# Allegro board 1119394-C028P02-36-DE2-C01_pcb.brd (continued)
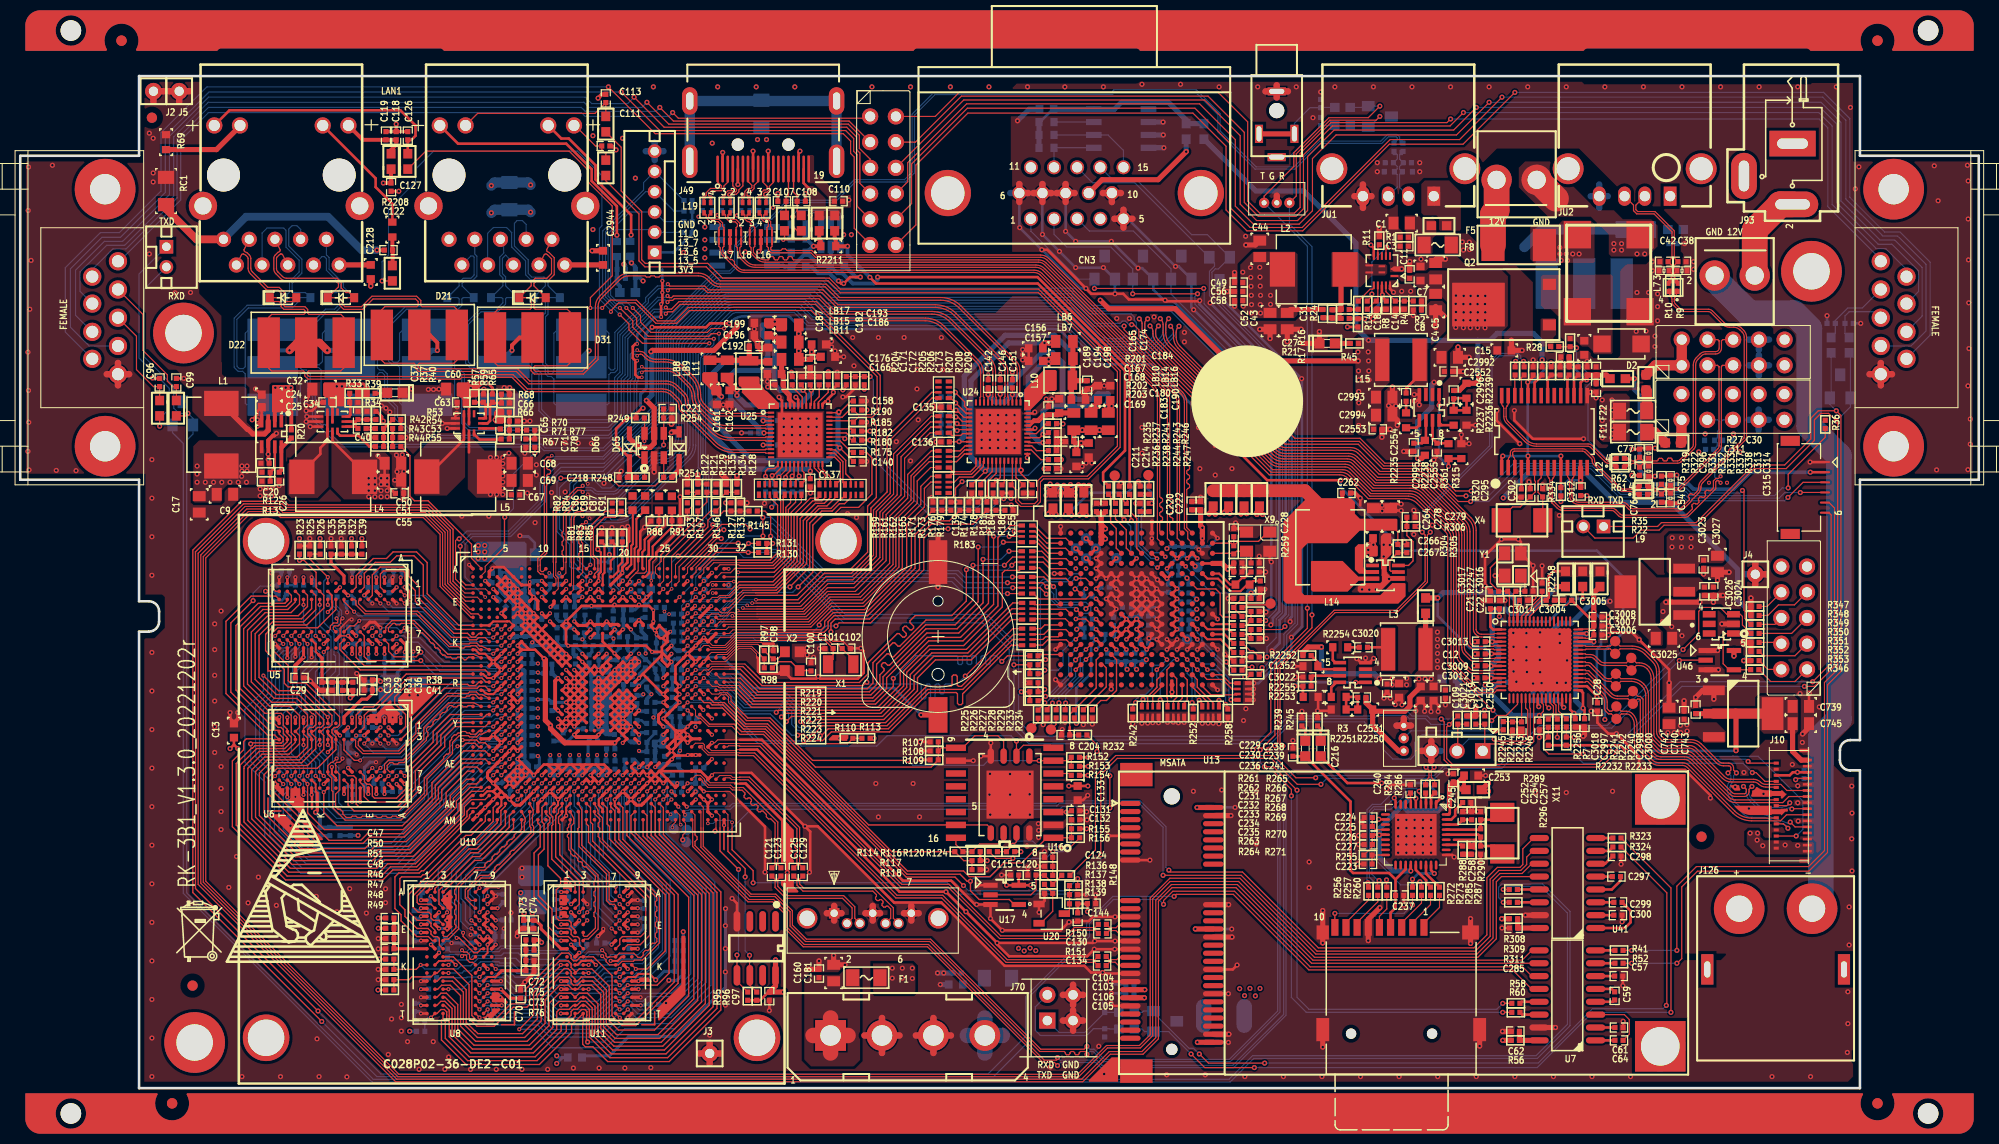
[diagram p0: board, top side]
## Placement (name value [footprint] x y rotation side) (continued)
C425  1UF  [SC0402]  53.44 45.49 180 bottom
C426  1UF  [SC0402]  53.24 31.93 90 bottom
C427  100NF  [SC0402]  52.98 47.14 90 bottom
C428  1UF  [SC0402]  52.82 42.89 180 bottom
C429  100NF  [SC0402]  52.76 19.04 270 bottom
C430  100NF  [SC0402]  52.76 17.26 270 bottom
C431  100NF  [SC0402]  52.76 14.97 270 bottom
C432  1UF  [SC0402]  52.53 37.72 90 bottom
C433  1UF  [SC0402]  52.35 31.93 90 bottom
C434  100NF  [SC0402]  52.12 41 180 bottom
C435  1UF  [SC0402]  51.1 46.33 0 bottom
C436  1UF  [SC0402]  50.77 45.03 270 bottom
C437  10uf  [SC0603]  50.7 19.71 90 bottom
C438  1UF  [SC0402]  50.6 31.75 0 bottom
C439  1UF  [SC0402]  50.52 47.52 0 bottom
C440  100NF  [SC0402]  50.19 16.66 180 bottom
C441  1UF  [SC0402]  50.17 49.12 0 bottom
C442  1UF  [SC0402]  50.16 50.01 0 bottom
C443  100NF  [SC0402]  50.14 43.74 0 bottom
C444  100NF  [SC0402]  50.14 42.85 0 bottom
C445  1UF  [SC0402]  50.14 41.07 0 bottom
C446  1UF  [SC0402]  50.14 40.18 0 bottom
C447  1UF  [SC0402]  50.14 39.29 0 bottom
C448  1UF  [SC0402]  50.14 38.4 0 bottom
C449  1UF  [SC0402]  50.14 37.52 0 bottom
C450  1UF  [SC0402]  50.14 36.63 0 bottom
C451  1UF  [SC0402]  50.14 35.74 0 bottom
C452  1UF  [SC0402]  50.14 34.85 0 bottom
C453  1UF  [SC0402]  50.14 33.96 0 bottom
C454  1UF  [SC0402]  50.14 32.82 0 bottom
C455  22UF  [SC0805]  50.01 52.71 0 bottom
C456  1UF  [SC0402]  49.89 45.03 270 bottom
C457  1UF  [SC0402]  49 45.03 270 bottom
C458  1UF  [SC0402]  48.69 29.69 225 bottom
C459  1UF  [SC0402]  48.23 47.85 225 bottom
C460  1UF  [SC0402]  48.06 16.62 0 bottom
C461  1UF  [SC0402]  47.88 30.48 225 bottom
C462  470NF  [SC0402]  47.71 18.76 90 bottom
C463  1UF  [SC0402]  47.6 48.49 225 bottom
C464  100NF  [SC0402]  47.3 14.97 0 bottom
C465  1UF  [SC0402]  47.04 50.88 180 bottom
C466  1UF  [SC0402]  47.02 49.94 180 bottom
C467  100NF  [SC0402]  44.13 14.34 180 bottom
C468  100NF  [SC0402]  41.59 14.72 0 bottom
C469  1UF  [SC0402]  40.82 16.5 180 bottom
C470  470NF  [SC0402]  40.44 17.89 270 bottom
C471  1UF  [SC0402]  40.34 9.38 270 bottom
C472  100NF  [SC0402]  39.71 19.73 270 bottom
C473  1NF  [SC0402]  39.55 6.65 180 bottom
C474  470NF  [SC0402]  38.94 7.99 270 bottom
C475  100NF  [SC0402]  38.92 17.13 270 bottom
C476  100NF  [SC0402]  38.92 14.97 270 bottom
C477  100NF  [SC0402]  38.35 42.25 0 bottom
C478  10uf  [SC0603]  38 39.9 0 bottom
C479  100NF  [SC0402]  37.3 51.14 180 bottom
C480  100NF  [SC0402]  37.17 37.29 180 bottom
C481  100NF  [SC0402]  37.16 29.31 0 bottom
C482  470NF  [SC0402]  36.41 49.36 90 bottom
C483  470NF  [SC0402]  36.41 42.12 0 bottom
C484  100NF  [SC0402]  35.52 51.14 180 bottom
C485  470NF  [SC0402]  35.39 37.29 180 bottom
C486  470NF  [SC0402]  35.33 30.12 180 bottom
C487  1UF  [SC0402]  34.76 49.48 180 bottom
C488  1UF  [SC0402]  34.38 35.64 180 bottom
C489  100NF  [SC0402]  34 42.12 180 bottom
C490  1UF  [SC0402]  34 30.31 90 bottom
C491  100NF  [SC0402]  33.81 39.78 90 bottom
C492  1UF  [SC0402]  33.49 43.9 0 bottom
C493  100NF  [SC0402]  33.23 51.14 180 bottom
C494  100NF  [SC0402]  33.11 37.29 180 bottom
C495  100NF  [SC0402]  32.85 45.55 180 bottom
C496  100NF  [SC0402]  32.85 29.42 270 bottom
C497  100NF  [SC0402]  32.6 47.96 180 bottom
C498  100NF  [SC0402]  32.6 25.35 90 bottom
C499  100NF  [SC0402]  32.47 32.72 90 bottom
C500  100NF  [SC0402]  32.35 34.5 270 bottom
C501  100NF  [SC0402]  30.57 25.35 270 bottom
C502  1UF  [SC0402]  27.58 49.71 180 bottom
C503  1UF  [SC0402]  26.57 27.2 270 bottom
C504  470NF  [SC0402]  26.19 51.11 180 bottom
C505  1NF  [SC0402]  25.88 49.71 0 bottom
C739  22UF  [SC0805]  175.87 37.72 0 top
C740  100NF  [SC0402]  164.34 36.86 90 top
C742  22UF  [SC0805]  162.86 36.78 90 top
C743  100NF  [SC0402]  165.48 37.41 90 top
C745  22UF  [SC0805]  175.87 36.02 0 top
C1352  27K  [SR0603]  127.43 41.68 180 top
C2128  100NF  [SC0603]  34.62 80.65 90 top
C2318  100NF  [SC0603]  101.37 96.72 0 bottom
C2378  100NF  [SC0603]  76.89 81.15 180 bottom
C2530  100NF  [SC0402]  140.77 38.94 270 top
C2531  15pF  [SC0402]  132.51 38.61 0 top
C2552  100NF  [SC0402]  141.07 70.82 0 top
C2553  100NF  [SC0402]  134.09 65.1 0 top
C2554  100NF  [SC0402]  136.88 68.28 90 top
C2555  100NF  [SC0402]  139.93 63.32 270 top
C2944  100NF  [SC0603]  57.56 82.04 270 top
C2986  100NF  [SC0402]  109.6 10.26 180 bottom
C2987  100NF  [SC0402]  109.6 9.37 180 bottom
C2988  100NF  [SC0402]  117.81 4.52 0 bottom
C2989  100NF  [SC0402]  117.86 15.72 0 bottom
C2990  100NF  [SC0402]  117.83 27.74 0 bottom
C2991  100NF  [SC0603]  80.7 81.28 180 bottom
C2992  22UF  [SC0805]  141.2 72.21 0 top
C2993  22UF  [SC0805]  134.72 68.28 0 top
C2994  22UF  [SC0805]  134.72 66.5 0 top
C2995  100NF/NC  [SC0402]  137.64 63.32 270 top
C2996  15pF  [SC0402]  141.58 68.53 270 top
C2997  100NF  [SC0402]  150.04 35.81 90 top
C2998  100NF  [SC0402]  153.59 36.09 90 top
C2999  100NF  [SC0402]  146.51 40.11 0 bottom
C3000  100NF  [SC0402]  154.51 36.09 90 top
C3001  100NF  [SC0402]  153.24 43.99 0 bottom
C3002  100NF  [SC0402]  149.43 38.73 270 bottom
C3004  100NF  [SC0402]  151.13 48.21 180 top
C3005  100NF  [SC0402]  152.83 48.21 0 top
C3006  100NF  [SC0402]  155.83 44.78 180 top
C3007  100NF  [SC0402]  155.83 45.67 180 top
C3008  100NF  [SC0402]  155.83 46.56 180 top
C3009  100NF  [SC0402]  144.3 41.73 0 top
C3012  100NF  [SC0402]  144.27 40.54 0 top
C3013  100NF  [SC0402]  144.3 44.12 0 top
C3014  100NF  [SC0402]  148.49 48.21 180 top
C3016  15pF  [SC0402]  149.02 49.1 0 top
C3017  15pF  [SC0402]  145.62 49.1 180 top
C3018  1UF  [SC0402]  148.29 35.79 270 top
C3019  22UF  [SC0603]  138.33 38.99 270 top
C3020  100NF  [SC0402]  132.66 43.56 0 top
C3021  22UF  [SC0603]  136.19 39.29 270 top
C3022  100NF  [SC0402]  127.1 40.61 180 top
C3023  100NF  [SC0402]  166.27 51.77 270 top
C3024  100NF  [SC0402]  167.23 49.1 270 top
C3025  10uf  [SC0805]  162.36 44.45 0 top
C3026  1UF  [SC0402]  166.34 49.1 270 top
C3027  10uf  [SC0805]  167.64 51.79 270 top
C3029  100NF  [SC0402]  163.25 83.44 0 bottom
CN3  DB15-3M2  [DB15-3RF-A]  99.82 85.9 180 top
CON1  MOLEX-473065001  [CN_SATA_HOST]  80.39 17.29 180 top
D1  SM12T1G  [SOT23]  134.29 96.01 90 bottom
D2  1SMA13CA  [SD1710A]  158.17 73.53 180 top
D3  SM12T1G  [SOT23]  179.76 69.34 180 bottom
D4  SM12T1G  [SOT23]  16.05 66.68 180 bottom
D5  SM12T1G  [SOT23]  113.08 6.6 90 bottom
D6  DZ5_2  [0402]  164.13 80.77 0 top
D7  DZ5_2  [0402]  162.36 80.77 180 top
D8  DZ5_2  [0402]  137.01 90.55 0 bottom
D9  DZ5_2  [0402]  135.23 90.55 180 bottom
D10  DZ5_2  [0402]  168.64 64.01 0 bottom
D11  DZ5_2  [0402]  166.87 64.01 180 bottom
D12  DZ5_2  [0402]  162.99 58.29 270 top
D13  DZ5_2  [0402]  162.99 60.07 90 top
D14  Led-G-0603  [LED0603]  128.45 33.55 270 top
D15  Led-G-0603  [LED0603]  126.92 33.55 270 top
D16  DZ5_2  [0402]  160.83 60.96 270 top
D17  DZ5_2  [0402]  160.83 62.74 90 top
D18  -  [B3D090L]  154.48 79.5 0 bottom
D19  -  [B3D090L]  32.56 71.23 270 bottom
D20  -  [B3D090L]  24.94 71.23 270 bottom
D21  -  [B3D090L]  39.42 74.42 180 top
D22  -  [B3D090L]  28.24 73.66 180 top
D23  SM12T1G  [SOT23]  118.47 80.95 0 bottom
D24  SM12T1G  [SOT23]  114.68 81.08 180 bottom
D25  SM12T1G  [SOT23]  110.9 81.08 180 bottom
D26  SM12T1G  [SOT23]  107.11 81.08 180 bottom
D27  BV03C  [SOD323-12]  31.67 78.11 180 bottom
D28  BV03C  [SOD323-12]  27.36 78.11 180 bottom
D29  BV03C  [SOD323-12]  31.67 78.11 180 top
D30  BV03C  [SOD323-12]  25.96 78.11 180 top
D31  -  [B3D090L]  50.6 74.17 180 top
D32  -  [B3D090L]  55.42 71.23 270 bottom
D33  -  [B3D090L]  47.8 71.26 270 bottom
D34  -  [B3D090L]  40.18 71.23 270 bottom
D35  BV03C  [SOD323-12]  50.6 78.11 180 top
D36  BV03C  [SOD323-12]  51.99 78.11 180 bottom
D37  BV03C  [SOD323-12]  47.8 78.11 180 bottom
D38  BV03C  [SOD323-12]  43.48 78.11 180 bottom
D65  BAT60BE6327  [HSOD323A]  65.07 63.47 270 top
D66  BAT60BE6327  [HSOD323A]  60.17 63.45 270 top
D71  Led-G-0603  [LED0603]  37.01 68.71 180 top
D87  Led-G-0603  [LED0603]  129.08 73.58 0 top
F1  SF1206/1A  [SF1206]  83.57 10.92 180 top
F3  SF1206/1A  [SF1206]  96.57 10.87 180 bottom
F5  SF6127/5A/0451005MRL  [SF6127]  148.01 83.31 0 top
F8  SF1206/1A  [SF1206]  140 83.31 180 top
F11  SF1206/1A  [SF1206]  159.31 64.82 0 top
F22  SF1206/1A  [SF1206]  159.31 66.9 0 top
F23  FS-2A/1812  [SF1812]  118.9 7.14 180 bottom
F24  SF1206/1A  [SF1206]  159.56 84.84 0 bottom
ID1  NC  [ID-BOARD]  166.07 24.84 0 top
ID2  NC  [ID-BOARD]  166.07 24.87 180 bottom
ID3  NC  [ID-BOARD]  13 95.89 0 top
ID4  NC  [ID-BOARD]  17.02 10.13 180 bottom
ID5  NC  [ID-BOARD]  17.02 10.13 0 top
ID6  NC  [ID-BOARD]  13 95.89 180 bottom
J1  PH-2P  [CON1X2PD2]  156.39 55.5 180 top
J2  NC  [SIP-1P]  13.16 98.5 0 top
J3  NC  [SIP-1P]  68.1 3.43 0 top
J4  NC  [SIP-1P]  171.37 50.77 0 top
J5  NC  [SIP-1P]  15.7 98.5 0 top
J6  PH-2P  [CON1X2PD2]  14.44 83.14 270 top
J7  CONN PLUG 6x2  [CON2X6]  85.22 90.93 270 top
J10  FH35C-31S-0.3HW  [FXRH-SM1-GAN-31]  176.61 22.46 90 top
J11  HR911130C  [TH-CN-254X254P-14N-HR911130C1]  27.69 86.41 180 top
J22  DB9-FM  [DSUB9_FEMALE_90]  192.66 76.12 270 top
J23  DB9-M  [DSUB9_FEMALE_90]  0.76 76.12 90 top
J49  -  [MOLEX_47151]  73.38 95.33 180 top
J70  BIG4P_IDE_180  [SIP-4P-200]  87.66 5.08 0 top
J93  DC005_90_5521  [PWC0103-M-C]  175.05 93.33 90 top
J94  -  [VH-2A]  163.4 80.29 180 top
J95  HEADER2X5_2.54_180  [CON2X5PD254]  169.16 67.31 0 top
J103  HEADER2X5_2.54_180  [CON2X5PD254]  169.19 72.69 0 top
J108  HEADER2X5_2.54_180  [CON2X5PD254]  175.21 46.46 90 top
J111  PJ2010B  [CON_DIP_PJ2010B]  124.1 96.59 270 top
J113  TF-CARD_13PIN  [TF_CARD-MISOSD]  136.4 5.38 0 top
J115  HR911130C  [TH-CN-254X254P-14N-HR911130C1]  49.96 86.41 180 top
J120  fpc6hh17  [FPC6HH17]  174.83 59.36 90 top
J121  con1x3p_2_54mm  [CON1X3P_2_54MM]  141.91 33.32 180 top
J122  con1x3pd1_25  [CON1X3PD1_25]  136.65 33.32 90 top
J123  con1x3pd1_25  [CON1X3PD1_25]  122.86 87.48 0 top
J124  4 HEADER  [CON2X2P-254MM]  101.45 6.68 0 top
J125  -  [VH-2A]  153.74 89.75 0 top
J126  -  [XT60PW-M]  165.63 3.73 0 top
J128  PH-6P  [CON1X6PD2]  62.66 82.58 90 top
JU1  USBX1  [USB4-1415]  139.62 88.13 180 top
JU2  USBX1  [USB4-1415]  162.96 88.13 180 top
L1  SWPA6045S2R2MT  [SPL0707G]  19.86 64.57 270 top
L2  SWPA6045S2R2MT  [SPL0707G]  127.76 80.9 180 top
L3  SWPA6045S4R7MT  [SPL0505H]  136.96 43.36 0 top
L4  SWPA6045S2R2MT  [SPL0707G]  30.91 60.4 0 top
L5  SWPA6045S2R2MT  [SPL0707G]  43.26 60.43 0 top
L6  CMM21T-900M-N  [SL4-1210-AAA]  136.07 92.96 270 bottom
L7  CMM21T-900M-N  [SL4-1210-AAA]  163.26 79.25 90 top
L8  CMM21T-900M-N  [SL4-1210-AAA]  167.69 61.6 90 bottom
L9  CMM21T-900M-N  [SL4-1210-AAA]  160.32 59.05 0 top
L10  1239AS-H2R2M  [HSL1008]  102.9 69.95 0 top
L11  1239AS-H2R2M  [HSL1008]  71.96 70.84 90 top
L12  CMM21T-900M-N  [SL4-1210-AAA]  158.04 61.85 0 top
L13  WE-SL5 HC/3.5A  [WE_SL5_HC]  156.9 80.52 270 top
L14  SWPA6045S2R2MT  [SPL0707G]  129.39 53.44 90 top
L15  SWPA6045S4R7MT  [SPL0505H]  136.37 71.96 180 top
L16  CMM21T-900M-N  [SL4-1210-AAA]  73.33 87 90 top
L17  CMM21T-900M-N  [SL4-1210-AAA]  69.77 87 90 top
L18  CMM21T-900M-N  [SL4-1210-AAA]  71.68 87 270 top
L19  CMM21T-900M-N  [SL4-1210-AAA]  67.87 87 270 top
L20  4.7nH  [SL0603]  130.61 95.12 0 bottom
L21  4.7nH  [SL0603]  130.61 96.9 0 bottom
L22  4.7nH  [SL0603]  109.27 7.49 0 bottom
L23  4.7nH  [SL0603]  109.27 5.84 0 bottom
L24  4.7nH  [SL0603]  178.87 73.41 270 bottom
L25  4.7nH  [SL0603]  180.64 73.41 270 bottom
L26  4.7nH  [SL0603]  13.77 67.18 270 top
L27  4.7nH  [SL0603]  15.42 67.18 270 top
L28  4.7nH  [SL0603]  75.49 85.47 270 top
L29  4.7nH  [SL0603]  77.14 85.47 90 top
L30  4.7nH  [SL0603]  80.44 85.47 270 top
LB1  BLM18PG121SN1D/NC  [LB0603]  116.92 94.54 90 bottom
LB2  BLM18AG601SN1  [SL0603]  140.13 85.22 0 top
LB3  BLM18AG601SN1  [SL0603]  163.5 84.84 0 bottom
LB4  BLM18AG601SN1  [SL0603]  163.25 63.75 0 top
LB5  BLM18AG601SN1  [SL0603]  160.58 69.72 90 top
LB6  FB_120R  [SL0805]  103.12 73.79 180 top
LB7  FB_120R  [SL0805]  103.12 72.09 180 top
LB8  FB_120R  [SL0805]  68.12 71.07 270 top
LB9  FB_120R  [SL0805]  69.82 71.07 270 top
LB10  FB_120R  [SL0805]  104.06 65.86 90 top
LB11  FB_120R  [SL0805]  76.05 72.01 180 top
LB12  BLM18AG601SN1  [SL0603]  78.92 85.47 90 top
LB13  BLM18AG601SN1  [SL0603]  57.84 90.93 90 top
LB14  FB_120R  [SL0805]  105.77 65.86 90 top
LB15  FB_120R  [SL0805]  76.05 73.71 180 top
LB16  FB_120R  [SL0805]  107.47 65.86 90 top
LB17  FB_120R  [SL0805]  76.05 75.41 180 top
LB18  FB_120R  [SL0603]  102.01 58.06 270 top
LB19  FB_120R  [SL0603]  103.53 58.06 270 top
LB20  FB_120R  [SL0603]  105.05 58.06 270 top
LB21  BLM18AG601SN1  [SL0603]  57.84 95.25 90 top
LB22  FB_120R  [SL0603]  117.83 58.27 270 top
LB23  FB_120R  [SL0603]  119.35 58.27 270 top
LB24  FB_120R  [SL0603]  120.88 58.27 270 top
LB25  FB_120R  [SL0603]  122.4 58.27 270 top
LB26  FB_120R  [SL0603]  143.56 29.49 180 top
LB27  BLM18AG601SN1  [SL0603]  59.99 78.61 180 bottom
LB28  BLM18AG601SN1  [SL0603]  36.63 91.57 90 top
LB29  BLM18AG601SN1  [SL0603]  36.75 80.52 90 top
LB30  BLM18AG601SN1  [SL0603]  38.28 91.57 90 top
LB31  FB_120R  [SL0603]  157.78 70.1 0 top
LB32  FB_120R  [SL0402]  65.02 32.33 270 bottom
LB33  FB_120R  [SL0402]  64.8 34.8 180 bottom
LB34  FB_120R  [SL0402]  64.41 40.92 270 bottom
LB35  FB_120R  [SL0402]  62.76 42.7 270 bottom
LB36  FB_120R  [SL0402]  62.31 32.36 0 bottom
LB37  FB_120R  [SL0402]  62.28 37.24 180 bottom
LB38  FB_120R  [SL0402]  62.28 36.04 180 bottom
LB39  FB_120R  [SL0402]  61.75 45.62 180 bottom
LB40  FB_120R  [SL0402]  60.48 40.28 270 bottom
LB41  FB_120R  [SL0402]  59.97 47.27 0 bottom
LB42  FB_120R  [SL0402]  59.33 42.32 180 bottom
LB43  FB_120R  [SL0402]  59.08 34.95 0 bottom
LB44  FB_120R  [SL0402]  58.57 46.76 270 bottom
LB45  FB_120R  [SL0402]  57.18 47.14 270 bottom
LB46  FB_120R  [SL0402]  56.18 42.42 90 bottom
LB47  FB_120R  [SL0402]  55.78 47.14 270 bottom
LB48  FB_120R  [SL0402]  54.84 42.32 90 bottom
LB49  FB_120R  [SL0402]  53.44 44.48 0 bottom
LB50  FB_120R  [SL0402]  52.71 34.7 270 bottom
LB51  FB_120R  [SL0402]  52.12 41.88 0 bottom
LB52  BLM18PG121SN1D  [LB0603]  115.16 94.54 90 bottom
LB53  BLM18PG121SN1D  [SL0603]  138.81 47.68 90 top
LB54  BLM18PG121SN1D  [SL0603]  141.2 40.44 0 bottom
LB55  BLM18PG121SN1D  [SL0603]  152.63 50.32 270 top
LB56  BLM18PG121SN1D  [SL0603]  154.33 50.32 270 top
LB57  BLM18PG121SN1D  [SL0603]  156.03 50.32 270 top
NOREF  -  [unnamed]  80.82 54.05 0 top
NOREF#2  -  [#2]  11.73 100 180 top
NOREF#3  -  [unnamed#3]  193.45 0 0 top
NOREF#4  -  [#2]  11.73 0 90 top
NOREF#5  -  [#2]  48.03 -10.64 0 top
NOREF#6  -  [#2]  20.22 15.61 0 top
NOREF#7  -  [#2]  495.99 231.14 0 top
NOREF#8  -  [#2]  36.9 101 0 top
NOREF#9  -  [unnamed#4]  0 0 180 top
NOREF#10  -  [#2]  82.6 287.02 0 top
NOREF#11  -  [#2]  11.73 0 0 top
NOREF#12  -  [unnamed#5]  193.45 102 180 top
NOREF#13  -  [#2]  135.05 142.62 0 top
NOREF#14  -  [#2]  493.32 277.88 0 top
NOREF#15  -  [#2]  80.06 281.69 0 top
NOREF#16  -  [#2]  2 -5 90 top
NOREF#17  -  [#2]  -30.3 -70.99 0 top
NOREF#18  -  [#2]  11.38 0 180 top
NOREF#19  -  [unnamed]  72.77 4.98 0 top
NOREF#20  -  [#2]  405.56 -38.73 0 top
NOREF#21  -  [unnamed#6]  0 102 0 top
NOREF#22  -  [unnamed]  24.28 4.98 0 top
NOREF#23  -  [unnamed]  24.28 54.05 0 top
PCB  DXF  [ZDRK1]  96.72 38.51 0 top
Q2  IRFR9120N  [D-PACK]  144.03 77.42 90 top
R1  100K  [SR0402]  136.7 84.07 180 top
R2  470K  [SR0402]  138 77.77 180 top
R3  30.1K  [SR0603]  130.23 38.66 0 top
R4  1M  [SR0402]  136.7 77.37 270 top
R5  NC  [SR0402]  136.58 92.96 270 bottom
R6  NC  [SR0402]  135.69 92.96 270 bottom
R7  1K  [SR0402]  147.4 35.79 90 top
R8  10.7K  [SR0402]  134.92 77.37 270 top
R9  NC  [SR0402]  163.77 79.12 90 top
R10  NC  [SR0402]  162.75 79.12 90 top
R11  0R  [SR0402]  134.24 83.74 90 top
R12  150K  [SR0402]  24.28 60.86 180 top
R13  100K  [SR0402]  24.28 59.97 180 top
R14  100K  [SR0402]  133.05 77.37 270 top
R15  NC  [SR0402]  168.2 61.6 90 bottom
R16  4.7R  [SR0402]  132.16 77.37 270 top
R17  49.9K  [SR0402]  132.13 75.62 90 top
R18  NC  [SR0402]  167.31 61.6 90 bottom
R19  100R  [SR0402]  27.58 53.16 270 bottom
R20  100K  [SR0402]  26.77 64.64 270 top
R21  499R  [SR0402]  130.86 76.05 0 top
R22  NC  [SR0402]  160.32 58.67 0 top
R23  100R  [SR0402]  27.58 53.17 90 top
R24  1M  [SR0402]  129.57 76.5 270 top
R25  100R  [SR0402]  28.6 53.17 90 top
R26  100R  [SR0402]  29.62 53.17 270 top
R27  49.9K  [SR0402]  153.09 73.66 270 top
R28  1K  [SR0402]  151.56 73.28 0 top
R29  1K  [SR0402]  30.82 39.71 270 top
R30  1K  [SR0402]  31.71 53.17 90 top
R31  1K  [SR0402]  31.84 39.71 90 top
R32  1K  [SR0402]  32.73 53.17 270 top
R33  NC  [SR0402]  32.94 68.66 180 top
R34  4.7K  [SR0402]  32.94 67.77 0 top
R35  NC  [SR0402]  160.32 59.56 0 top
R36  1K  [SR0402]  178.28 65.58 90 top
R37  NC  [SR0402]  34.24 66.47 90 top
R38  1K  [SR0402]  34.38 40.34 180 top
R39  499R  [SR0402]  34.65 68.66 0 top
R40  100K  [SR0402]  35.13 66.47 270 top
R41  100R  [SR0402]  157.91 13.61 0 top
R42  27.4K  [SR0402]  35.48 65.18 0 top
R43  34.8K  [SR0402]  35.48 64.29 180 top
R44  0R  [SR0402]  35.48 63.4 0 top
R45  499R  [SR0402]  131.78 73.58 180 top
R46  100R  [SR0402]  36.5 12.75 0 top
R47  100R  [SR0402]  36.5 11.73 180 top
R48  100R  [SR0402]  36.5 10.72 180 top
R49  100R  [SR0402]  36.5 9.7 0 top
R50  1K  [SR0402]  36.5 15.8 0 top
R51  1K  [SR0402]  36.5 14.78 180 top
R52  100R  [SR0402]  157.91 12.34 0 top
R53  150K  [SR0402]  37.19 66.07 0 top
R54  75K  [SR0402]  37.19 65.18 180 top
R55  1K  [SR0402]  37.19 63.4 0 top
R56  0R  [SR0402]  147.68 4.72 0 top
R57  NC  [SR0402]  44.86 68.17 270 top
R58  100R  [SR0402]  147.73 8.38 180 top
R59  4.7K  [SR0402]  45.75 68.17 90 top
R60  100R  [SR0402]  147.73 7.49 180 top
R61  NC  [SR0402]  158.04 61.34 0 top
R62  NC  [SR0402]  158.04 62.23 0 top
R63  0R  [SR1206]  73.2 96.27 270 bottom
R64  499R  [SR0603]  60.25 82.93 90 bottom
R65  100K  [SR0402]  46.63 68.17 270 top
R66  27.4K  [SR0402]  47.9 66.8 0 top
R67  0R  [SR0402]  47.9 64.14 0 top
R68  NC  [SR0402]  47.93 68.58 0 top
R69  499R  [SR0603]  14.4 93.47 270 top
R70  34.8K  [SR0402]  48.72 65.91 0 top
R71  150K  [SR0402]  48.72 65.02 0 top
R73  1K  [SR0402]  49.71 16.18 270 top
R75  1K  [SR0402]  50.35 13.64 180 top
R76  1K  [SR0402]  50.35 11.61 0 top
R77  75K  [SR0402]  50.42 65.02 0 top
R78  1K  [SR0402]  50.83 63.73 270 top
R81  75R  [SR0402]  57.43 54.38 90 top
R82  33R  [SR0402]  58.47 57.4 270 top
R83  75R  [SR0402]  58.45 54.38 90 top
R84  33R  [SR0402]  59.36 57.4 270 top
R85  75R  [SR0402]  59.46 54.38 90 top
R88  470K  [SR0402]  62.69 56.03 180 top
R91  470K  [SR0402]  64.77 56.06 0 top
R95  4.7K  [SR0402]  71.86 9.09 90 top
R96  4.7K  [SR0402]  72.75 9.09 90 top
R97  1M  [SR0402]  73.48 42.82 270 top
R98  0R  [SR0402]  73.89 41.53 180 top
R107  NC  [SR0402]  90.27 34.21 180 top
R108  4.7K  [SR0402]  90.27 33.32 180 top
R109  NC  [SR0402]  90.27 32.44 0 top
R110  1K  [SR0402]  81.84 34.57 0 top
R113  10K  [SR0402]  83.54 34.57 180 top
R114  33R  [SR0402]  92.71 23.37 0 top
R116  NC  [SR0402]  94.41 23.37 180 top
R117  NC  [SR0402]  94.41 22.48 180 top
R118  4.7K  [SR0402]  94.41 21.59 0 top
R120  0R  [SR0402]  96.11 23.37 180 top
R121  NC  [SR0402]  66.93 59.28 270 top
R122  4.7K  [SR0402]  65.89 59.28 90 top
R123  0R  [SR0402]  65.89 57.43 90 top
R124  NC  [SR0402]  97.82 23.37 180 top
R127  10K  [SR0402]  70.21 57.43 270 top
R128  10K  [SR0402]  70.79 59.28 270 top
R129  10K  [SR0402]  67.82 59.28 270 top
R130  1K  [SR0402]  73.33 52.93 180 top
R131  1K  [SR0402]  73.33 53.82 180 top
R133  1K  [SR0402]  71.09 57.43 270 top
R134  1K  [SR0402]  69.75 59.28 270 top
R135  1K  [SR0402]  68.71 59.28 270 top
R136  1K  [SR0402]  101.57 21.92 180 top
R137  NC  [SR0402]  101.57 21.03 0 top
R138  100R  [SR0402]  101.57 20.14 0 top
R139  100K  [SR0402]  101.57 19.25 180 top
R145  0R  [SR0402]  72.39 57.02 0 top
R146  0R  [SR0402]  68.71 57.43 90 top
R147  0R  [SR0402]  66.93 57.43 90 top
R148  100R  [SR0402]  103.28 21.03 180 top
R150  0R  [SR0402]  104.04 20.02 180 top
R151  1K  [SR0402]  104.04 18.21 180 top
R152  NC  [SR0402]  104.22 32.69 180 top
R153  4.7K  [SR0402]  104.22 31.8 180 top
R154  4.7K  [SR0402]  104.22 30.91 180 top
R155  4.7K  [SR0402]  104.24 25.63 180 top
R156  NC  [SR0402]  104.24 24.74 180 top
R158  4.7K  [SR0603]  101.37 95.45 0 bottom
R159  1K  [SR0402]  90.14 57.51 270 top
R160  4.7K  [SR0603]  101.37 94.18 0 bottom
R161  33R  [SR0402]  91.03 57.51 270 top
R162  10K  [SR0402]  91.92 57.51 270 top
R165  NC  [SR0402]  92.81 57.51 270 top
R171  4.7K  [SR0402]  93.7 57.51 90 top
R173  0R  [SR0402]  94.59 57.51 270 top
R174  0R  [SR0402]  94.87 59.21 270 top
R175  0R  [SR0402]  82.7 62.81 0 top
R176  33R  [SR0402]  95.48 57.51 270 top
R178  4.7K  [SR0402]  96.09 59.21 90 top
R179  4.7K  [SR0402]  96.37 57.51 270 top
R180  4.7K  [SR0402]  82.7 64.03 180 top
R181  4.7K  [SR0402]  96.98 59.21 270 top
R182  4.7K  [SR0402]  82.7 64.92 0 top
R183  NC  [SR0402]  97.66 57.1 0 top
R184  4.7K  [SR0402]  97.87 59.21 90 top
R185  4.7K  [SR0402]  82.7 65.81 0 top
R186  4.7K  [SR0402]  99.06 59.21 270 top
R190  4.7K  [SR0402]  82.7 67.01 180 top
R201  33R  [SR0402]  101.96 65.66 180 top
R202  2.49K  [SR0402]  101.96 62.99 0 top
R203  0R  [SR0402]  101.96 62.1 180 top
R204  33R  [SR0402]  76.25 69.9 270 top
R205  2.49K  [SR0402]  78.92 69.9 90 top
R206  0R  [SR0402]  79.81 69.9 270 top
R207  33R  [SR0402]  81.58 69.9 90 top
R208  1K  [SR0402]  82.47 69.9 270 top
R209  NC  [SR0402]  83.36 69.9 90 top
R219  33R  [SR0402]  100.13 42.72 180 top
R220  NC  [SR0402]  100.13 41.83 0 top
R221  0R  [SR0402]  100.13 40.94 0 top
R222  10K  [SR0402]  100.13 40.06 0 top
R223  NC  [SR0402]  100.13 39.17 0 top
R224  0R  [SR0402]  100.13 38.28 0 top
R225  NC  [SR0402]  100.53 36.96 90 top
R226  0R  [SR0402]  101.42 36.98 90 top
R227  NC  [SR0402]  102.31 36.98 90 top
R228  0R  [SR0402]  103.2 36.98 90 top
R229  10K  [SR0402]  104.11 36.98 90 top
R232  0R  [SR0402]  104.95 34.9 180 top
R233  NC  [SR0402]  105 36.98 90 top
R234  NC  [SR0402]  105.89 36.98 90 top
R235  0R  [SR0402]  107.49 59.08 270 top
R236  0R  [SR0402]  108.18 57.38 270 top
R237  10K  [SR0402]  108.53 59.08 270 top
R238  499R  [SR0402]  109.25 57.38 270 top
R239  499R  [SR0402]  126.59 36.2 270 top
R241  0R  [SR0402]  109.58 59.08 270 top
R242  4.7K  [SR0402]  109.88 37.06 270 top
R243  4.7K  [SR0402]  110.62 59.08 270 top
R244  4.7K  [SR0402]  110.62 57.38 270 top
R245  499R  [SR0402]  128.14 36.2 270 top
R246  NC  [SR0402]  111.51 59.08 270 top
R247  NC  [SR0402]  111.51 57.38 270 top
R248  3K  [SR0402]  61.26 60.35 180 top
R249  3K  [SR0402]  61.24 66.22 180 top
R251  27K  [SR0402]  63.96 60.35 180 top
R252  0R  [SR0402]  115.85 37.06 270 top
R254  10K  [SR0402]  63.96 66.22 0 top
R255  100K  [SR0402]  133.12 23.04 180 top
R256  33R  [SR0402]  133.17 19.46 270 top
R257  33R  [SR0402]  134.09 19.46 270 top
R258  4.7K  [SR0402]  119.28 37.06 270 top
R259  NC  [SR0402]  119.86 53.19 270 top
R260  33R  [SR0402]  134.98 19.46 270 top
R261  51R  [SR0402]  120.27 48.39 180 top
R262  24R  [SR0402]  120.27 47.5 180 top
R263  51R  [SR0402]  120.27 42.19 180 top
R264  33R  [SR0402]  120.27 41.3 0 top
R265  10K  [SR0402]  121.97 48.39 180 top
R266  51R  [SR0402]  121.97 47.09 0 top
R267  24R  [SR0402]  121.97 46.2 180 top
R268  24R  [SR0402]  121.97 45.31 180 top
R269  51R  [SR0402]  121.97 44.42 0 top
R270  24R  [SR0402]  121.97 42.6 180 top
R271  33R  [SR0402]  121.97 40.89 0 top
R272  33R  [SR0402]  137.52 19.46 270 top
R273  33R  [SR0402]  138.4 19.46 270 top
R284  0R  [SR0402]  138.81 29.57 270 top
R285  33R  [SR0402]  139.29 19.46 270 top
R286  0R  [SR0402]  139.7 29.57 270 top
R287  33R  [SR0402]  140.18 19.46 270 top
R288  33R  [SR0402]  142.47 23.52 270 top
R289  12K  [SR0402]  142.88 28.22 0 top
R290  1K  [SR0402]  143.36 23.52 270 top
R296  1M  [SR0402]  144.25 25.22 270 top
R304  200K  [SR0402]  136.07 53.31 90 top
R305  100K  [SR0402]  136.96 53.31 90 top
R306  100K  [SR0402]  137.36 55.5 180 top
R308  100R  [SR0402]  147.47 19.63 180 top
R309  100R  [SR0402]  147.47 18.36 180 top
R311  0R  [SR0402]  147.5 16.74 0 top
R315  12.7K  [SR0603]  142.34 62.94 90 top
R319  33R  [SR0402]  147.65 70.87 270 top
R320  499R  [SR0402]  148.26 58.8 270 top
R322  33R  [SR0402]  148.54 70.87 270 top
R323  100R  [SR0402]  157.71 24.71 0 top
R324  100R  [SR0402]  157.71 23.83 0 top
R331  NC  [SR0402]  150.32 70.87 270 top
R332  10K  [SR0402]  151.21 70.87 90 top
R333  47K  [SR0402]  152.1 70.87 90 top
R334  10K  [SR0402]  152.17 58.93 270 top
R337  100K  [SR0402]  152.98 70.87 270 top
R338  100K  [SR0402]  153.87 70.87 270 top
R346  499R  [SR0402]  171.32 41.35 180 top
R347  0R  [SR0402]  171.35 47.6 180 top
R348  0R  [SR0402]  171.35 46.71 180 top
R349  0R  [SR0402]  171.35 45.82 180 top
R350  0R  [SR0402]  171.35 44.93 180 top
R351  0R  [SR0402]  171.35 44.04 180 top
R352  0R  [SR0402]  171.35 43.15 180 top
R353  10K  [SR0402]  171.35 42.24 180 top
R361  100K  [SR0603]  141.07 62.94 270 top
R370  4.7K  [SR0402]  73.61 59.31 270 bottom
R371  4.7K  [SR0402]  74.5 59.31 270 bottom
R372  4.7K  [SR0402]  75.39 59.31 270 bottom
R373  4.7K  [SR0402]  76.28 59.31 270 bottom
R374  4.7K  [SR0402]  77.17 59.31 270 bottom
R375  4.7K  [SR0402]  91.36 68.3 180 bottom
R376  4.7K  [SR0402]  91.36 67.41 180 bottom
R377  4.7K  [SR0402]  91.36 66.52 180 bottom
R378  4.7K  [SR0402]  91.36 65.63 180 bottom
R379  4.7K  [SR0402]  91.36 64.74 180 bottom
R380  270R  [SR0402]  67.11 31.65 0 bottom
R381  270R  [SR0402]  67.11 30.12 0 bottom
R382  4.7K  [SR0402]  66.45 36.58 180 bottom
R383  NC  [SR0402]  65.18 37.11 270 bottom
R384  1K  [SR0402]  65.08 13.58 180 bottom
R385  1K  [SR0402]  65.08 12.56 0 bottom
R386  10K  [SR0402]  64.95 45.06 0 bottom
R387  1K  [SR0402]  64.95 44.17 0 bottom
R388  1K  [SR0402]  64.92 46.84 180 bottom
R389  NC  [SR0402]  64.92 45.95 0 bottom
R390  1K  [SR0402]  64.92 29.24 180 bottom
R391  4.7K  [SR0402]  64.44 30.53 270 bottom
R392  NC  [SR0402]  63.04 30.94 0 bottom
R393  470K  [SR0402]  61.21 49.53 270 bottom
R394  470K  [SR0402]  60.33 49.53 90 bottom
R395  240R  [SR0402]  58.75 31.93 90 bottom
R396  75R  [SR0402]  58.19 51.59 90 bottom
R397  12K  [SR0402]  57.18 51.59 270 bottom
R398  NC  [SR0402]  54.76 49.05 270 bottom
R399  3K  [SR0402]  54.76 47.14 90 bottom
R400  240R  [SR0402]  54.67 10.4 0 bottom
R401  270R  [SR0402]  53.24 50.19 90 bottom
R402  270R  [SR0402]  52.35 50.19 90 bottom
R403  1K  [SR0402]  50.19 15.65 180 bottom
R404  240R  [SR0402]  50.14 41.96 0 bottom
R405  69.8R  [SR0402]  42.19 13.36 270 bottom
R406  240R  [SR0402]  40.72 10.91 0 bottom
R407  100K  [SR0402]  39.55 5.63 0 bottom
R408  1K  [SR0402]  34.82 39.78 90 bottom
R409  1K  [SR0402]  31.58 25.35 90 bottom
R410  69.8R  [SR0402]  30.89 48.54 180 bottom
R411  1K  [SR0402]  29.6 25.35 270 bottom
R412  240R  [SR0402]  29.11 49.33 270 bottom
R413  240R  [SR0402]  28.54 35.26 270 bottom
R414  100K  [SR0402]  25.88 48.82 180 bottom
R1119  4.7K  [SR0603]  76.89 82.55 180 bottom
R1120  4.7K  [SR0603]  76.89 85.34 180 bottom
R1121  4.7K  [SR0603]  76.89 83.95 180 bottom
R2208  499R  [SR0603]  36.75 84.84 90 top
R2210  499R  [SR0603]  58.93 82.91 90 bottom
R2211  1K  [SR0603]  79.81 83.19 180 top
R2212  4.7K  [SR0603]  101.37 92.91 0 bottom
R2232  10K/NC  [SR0402]  150.93 34.29 270 top
R2233  10K/NC  [SR0402]  152.7 34.29 270 top
R2234  0R  [SR0402]  176.2 30.99 90 bottom
R2235  10R  [SR0603]  136.88 65.99 90 top
R2236  7.68K  [SR0603]  142.85 66.24 270 top
R2237  33.2K  [SR0603]  141.58 66.24 90 top
R2238  100K  [SR0603]  138.73 63.27 90 top
R2239  40.2K  [SR0603]  142.85 68.91 270 top
R2240  0R  [SR0402]  152.7 36.09 90 top
R2241  0R  [SR0402]  150.93 36.07 90 top
R2242  0R  [SR0402]  151.82 36.07 270 top
R2243  10K  [SR0402]  143.76 36.37 90 top
R2244  10K  [SR0402]  142.88 36.37 90 top
R2245  0R/NC  [SR0402]  141.99 36.37 90 top
R2246  0R/NC  [SR0402]  144.65 36.37 90 top
R2247  1M  [SR0402]  147.32 49.1 0 top
R2248  7K68_1%  [SR0402]  150.32 49.5 270 top
R2250  56.2K  [SR0603]  132.84 37.41 0 top
R2251  18K  [SR0603]  130.23 37.41 180 top
R2252  100K  [SR0402]  127.1 42.75 0 top
R2253  11.3K  [SR0603]  127.46 38.66 0 top
R2254  10R  [SR0603]  130.38 43.56 0 top
R2255  100K  [SR0402]  127.1 39.73 180 top
R2256  0R  [SR0402]  146.48 35.81 90 top
R2257  10K  [SR0402]  65.96 84.56 0 bottom
R2258  10K  [SR0402]  65.96 85.62 0 bottom
R2259  10K  [SR0402]  65.96 86.66 0 bottom
R2260  10K  [SR0402]  65.96 87.71 0 bottom
RC1  1NF/2KV  [SR1206]  14.4 88.65 90 top
RC2  1NF/2KV  [SR1206]  48.31 88.14 90 bottom
RN9  8P4R_0402_4K7  [RPAK8-10X25-28V]  114.14 37.21 180 top
RN10  8P4R_0402_4K7  [RPAK8-10X25-28V]  111.61 37.21 180 top
RN11  8P4R_0402_4K7  [RPAK8-10X25-28V]  120.75 39.19 270 top
RN12  8P4R_0402_4K7  [RPAK8-10X25-28V]  117.58 37.21 180 top
RN13  8P4R_0402_33R  [RPAK8-10X25-28V]  91.21 62.15 270 top
RN14  8P4R_0402_33R  [RPAK8-10X25-28V]  91.19 59.63 270 top
RN17  8P4R_0402_33R  [RPAK8-10X25-28V]  79.76 59.16 0 top
RN18  8P4R_0402_33R  [RPAK8-10X25-28V]  82.28 59.13 0 top
RN19  8P4R_0402_33R  [RPAK8-10X25-28V]  99.44 54.77 90 top
RN20  8P4R_0402_33R  [RPAK8-10X25-28V]  76.33 59.16 0 top
RN21  8P4R_0402_33R  [RPAK8-10X25-28V]  91.21 69 270 top
RN22  8P4R_0402_33R  [RPAK8-10X25-28V]  91.21 65.58 270 top
RN75  8P4R_0402_33R  [RPAK8-10X25-28V]  99.44 49.69 90 top
RN76  8P4R_0402_33R  [RPAK8-10X25-28V]  99.47 44.58 90 top
RN77  8P4R_0402_33R  [RPAK8-10X25-28V]  99.44 52.23 90 top
RN78  8P4R_0402_33R  [RPAK8-10X25-28V]  99.47 47.12 90 top
RN79  8P4R_0402_33R  [RPAK8-10X25-28V]  73.79 59.16 0 top
TP1  T  [MARK]  157.53 44.17 0 top
